# EAGLE board working (EAGLE 9.6.2), part 23 of 28 (continued)
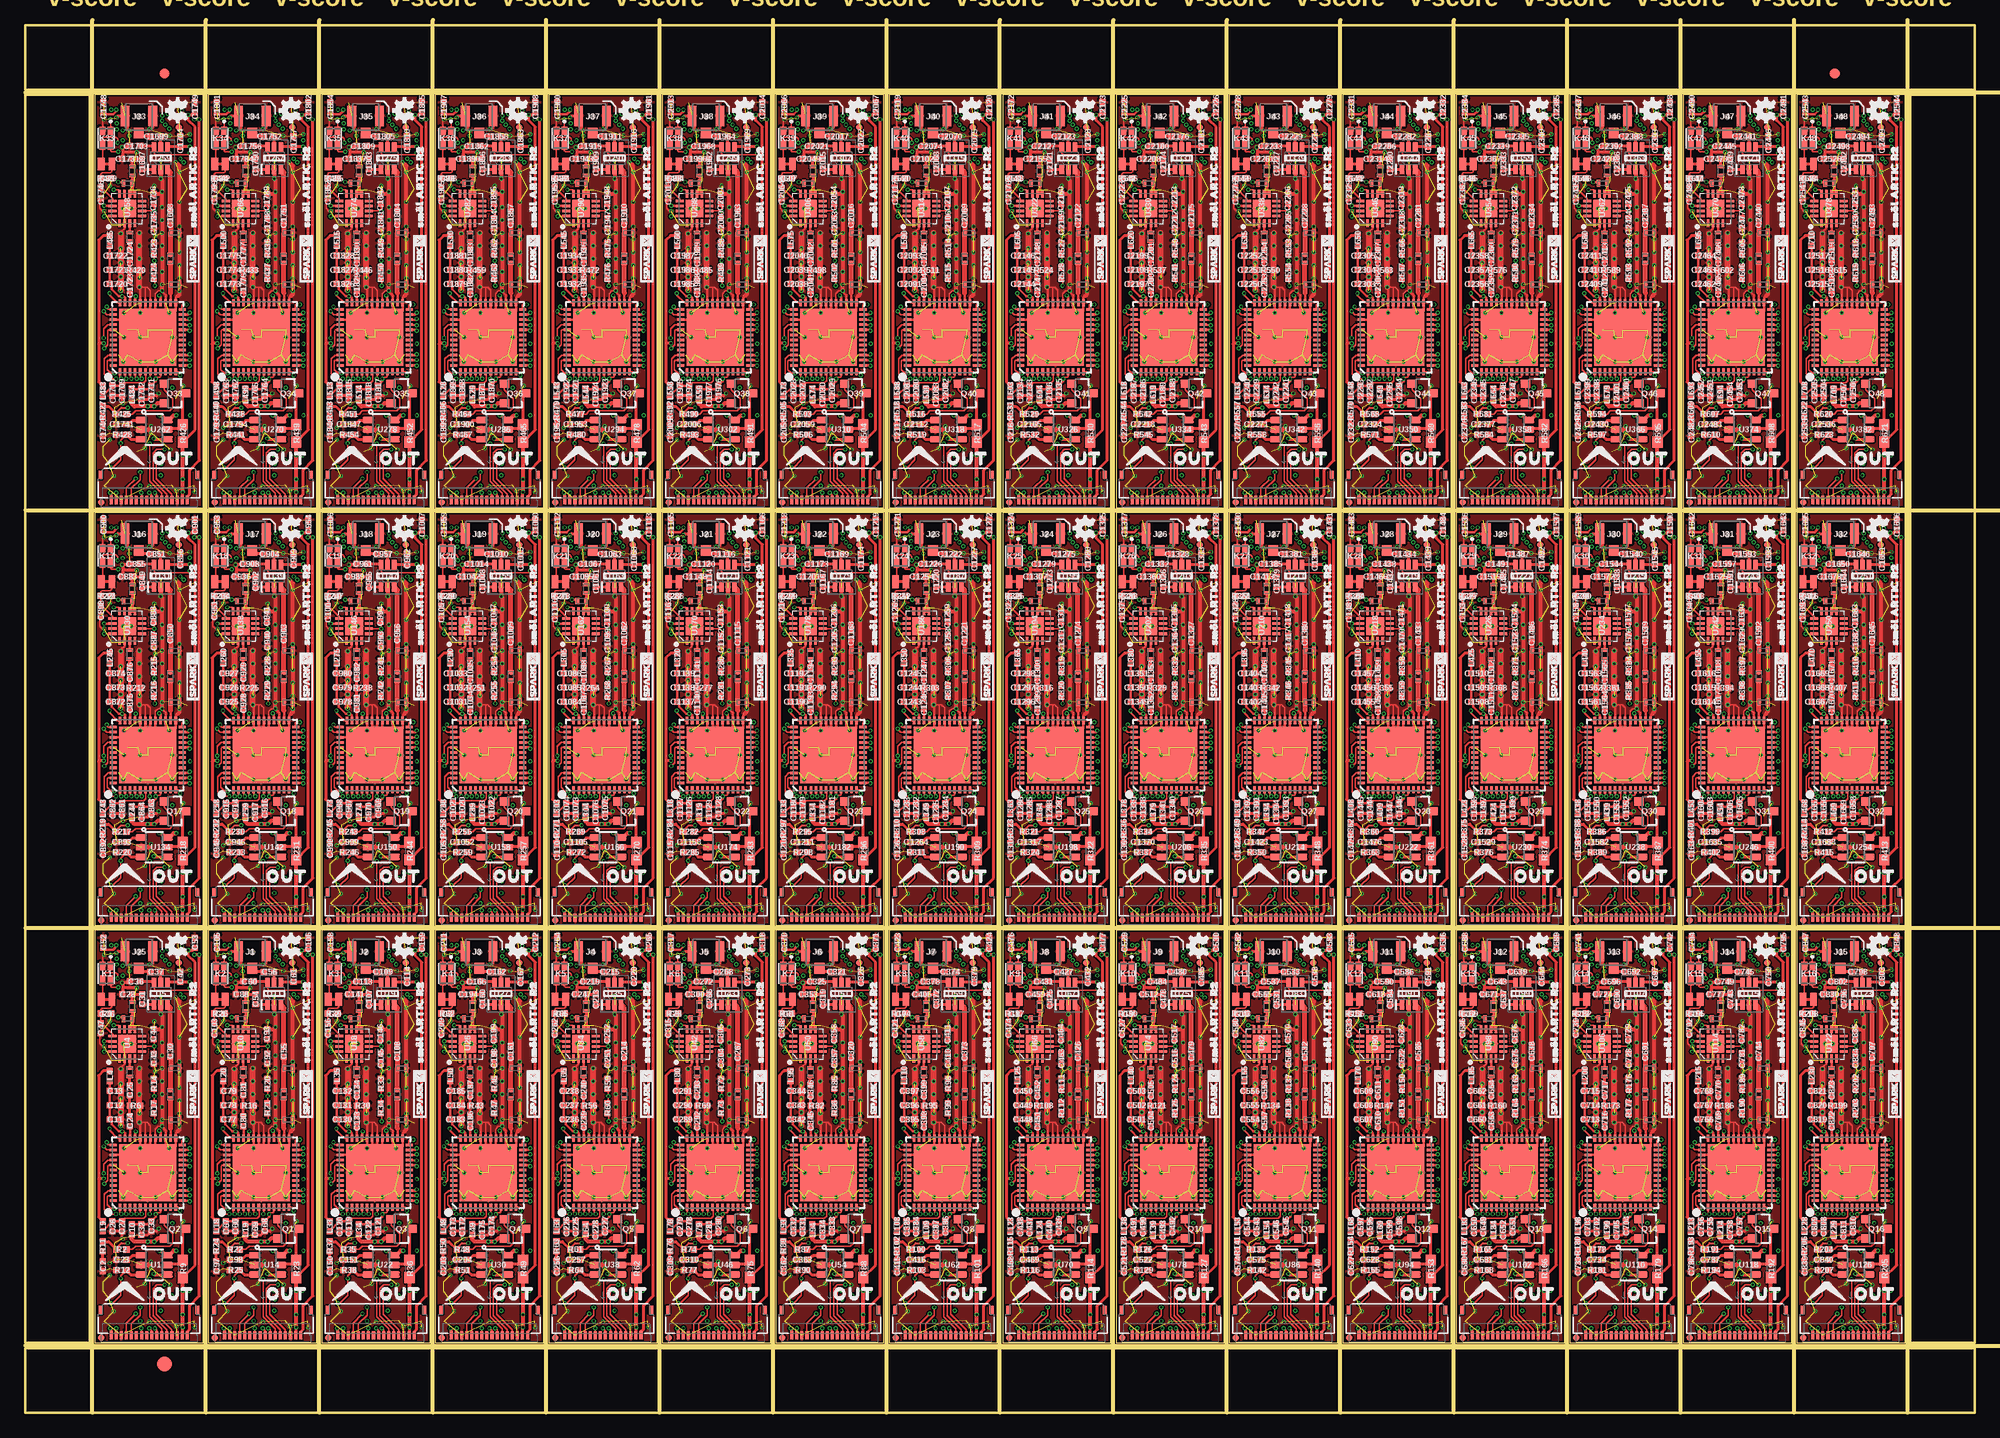
[diagram p0: board, top side]
## Tracks (layer width: path | path; a pad name or v marks a point on that pad's centre or on a via) (continued)
  Top 0.508: 159.59,110.3 L687.P$2 | L687.P$2 159.59,113.23
N$1283  (via drill 0.2)
  Top 0.254: U361.20 161.37,106.67 v161.48,106.55
  Bottom 0.152: C2426.1 160.78,104.7 161.79,104.7 161.93,104.84 161.93,106.11 v161.48,106.55
  Bottom 0.254: C2426.1 C2427.1 L689.1
N$1284
  Top 0.305: U366.5 159.35,96.9 160.38,96.9 R595.1 160.78,100.12 Q46.3
N$1285
  Top 0.152: R594.1 155.83,98.36 156.15,98.68 159.51,98.68 159.83,99 159.83,99.89 158.96,100.76 Q46.1
N$1286  (via drill 0.2)
  Top 0.203: R594.2 154.25,98.5 154.75,99 v155.37,99
  Top 0.305: v157.92,95.95 157.99,95.89 U366.4 | R596.1 152.96,99.12 153.49,99.12 R594.2
  Bottom 0.203: v157.92,95.95 157.61,95.95 156.84,96.71 156.84,98.62 156.46,99 v155.37,99
N$1287
  Top 0.305: C2429.1 R596.2
  Top 0.406: R596.2
N$1288
  Top 0.305: U366.1 156.63,97.73 155.82,97.73 155.44,97.34 C2430.1
N$1289
  Top 0.305: C2439.1 169.12,122.5 U371.1
N$1290
  Top 0.508: C2440.1 170.75,122.17 U371.3
N$1291
  Top 0.305: U371.5 169.8,125.72 C2441.2
N$1292  (via drill 0.2)
  Top 0.254: U369.24 171.93,109.06 172.02,109.16 v172.34,109.16
  Bottom 0.305: C2448.1 170.94,109.93 170.94,109.72 171.38,109.28 L691.1 v172.34,109.16 172.34,109.74 C2447.1
N$1293  (via drill 0.2)
  Top 0.254: U369.23 172.4,108.17 172.41,108.17 172.5,108.17 v172.66,108.33
  Bottom 0.305: L692.1 171.96,108.14 172.15,108.33 v172.66,108.33
  Bottom 0.406: C2449.1 C2450.1 L692.1
N$1294
  Top 0.152: U369.6 168.33,102.47 168.33,101.64 168.13,101.44 166.28,101.44 C2451.1 | L693.1 164.08,100.17 165.04,101.12 C2452.1
  Top 0.254: C2452.1 C2451.1
N$1295  (via drill 0.2)
  Top 0.152: v169.29,101.85 169.29,101.92 169.34,101.97 169.68,101.97 169.78,102.06 U369.9
  Top 0.254: L694.1 C2454.1 168.53,100.83 C2453.1 169.29,101.59 v169.29,101.85
  Bottom 0.152: v169.29,101.85 168.53,101.09 R599.1 R600.2
N$1296  (via drill 0.2)
  Top 0.254: U369.35 166.28,109.82 166.12,109.98 v165.99,109.98 165.67,109.98 164.98,110.67 164.98,111 C2462.1 C2463.1 C2464.1 164.79,114.94 L695.1 | U369.28 169.78,109.92 v169.65,110.05 | U369.33 167.28,109.93 v167.34,109.98
  Bottom 0.254: v169.65,110.05 169.59,109.98 v167.34,109.98 v165.99,109.98
N$1297  (via drill 0.2)
  Top 0.152: U369.36 165.52,109.32 164.75,110.08 v164.75,110.27
  Bottom 0.254: L696.1 165.1,110.62 v164.75,110.27 164.75,110.26 165.28,109.73 C2456.1 165.3,109.6 165.74,109.16 C2455.1
N$1298  (via drill 0.2)
  Top 0.127: U369.41 164.66,106.67 164.57,106.58 164.57,105.18 v164.22,104.84
  Bottom 0.152: v164.22,104.84 164.22,104.26 R601.1
N$1299  (via drill 0.2)
  Top 0.152: U369.40 164.57,107.17 164.18,106.77 v164.18,105.85
  Bottom 0.152: v164.18,105.85 164.97,105.85 C2457.1 C2458.1 L697.1
N$1300  (via drill 0.2)
  Top 0.152: v164.47,108.92 164.47,108.82 164.62,108.67 U369.37
  Bottom 0.152: v164.47,108.92 164.97,108.41 165.48,108.41 165.95,107.94 166.22,107.94 X47.4 167.55,107.6 C2460.1 C2459.1
N$1301
  Bottom 0.152: C2461.1 164.24,106.78 165.06,107.6 X47.3
N$1302  (via drill 0.2)
  Top 0.152: U369.38 164.47,108.17 164.17,108.47 v164.17,108.51
  Bottom 0.152: v164.17,108.51 164.15,108.48 C2461.2
N$1303
  Top 0.254: U369.34 166.78,110.47 C2465.1
N$1304
  Top 0.254: R602.2 | 166.76,113.54 C2466.1
  Top 0.305: C2465.2 R602.2 | R602.2 166.76,113.54
N$1305  (via drill 0.2)
  Top 0.254: v164.21,118.87 U370.14
  Bottom 0.254: L699.P$2 164.22,118.89 v164.21,118.87
N$1306
  Bottom 0.254: C2471.1 C2470.1 R604.1 165.5,119.75 L699.P$1
N$1307
  Top 0.305: C2466.2 L698.P$1
N$1308
  Top 0.254: L698.P$2 U370.3
N$1309
  Top 0.254: U370.10 167,120.07 U370.9
  Top 0.305: 167,121.08 L700.P$2 | 167,121.08 167,120.07 | L701.P$1 167,121.08
N$1310
  Top 0.254: C2472.P$1 170.76,113.25 170.75,113.24 170.76,113.23 | 170.78,111.11 L702.P$2 arc-45 L702.P$2 | U369.26 170.78,110.29 170.76,110.3
  Top 0.508: 170.76,110.3 L702.P$2 | L702.P$2 170.76,113.23
N$1311  (via drill 0.2)
  Top 0.254: U369.20 172.54,106.67 v172.66,106.55
  Bottom 0.152: C2479.1 171.96,104.7 172.97,104.7 173.1,104.84 173.1,106.11 v172.66,106.55
  Bottom 0.254: C2479.1 C2480.1 L704.1
N$1312
  Top 0.305: U374.5 170.53,96.9 171.55,96.9 R608.1 171.96,100.12 Q47.3
N$1313
  Top 0.152: R607.1 167,98.36 167.32,98.68 170.69,98.68 171.01,99 171.01,99.89 170.13,100.76 Q47.1
N$1314  (via drill 0.2)
  Top 0.203: R607.2 165.43,98.5 165.93,99 v166.55,99
  Top 0.305: v169.1,95.95 169.16,95.89 U374.4 | R609.1 164.14,99.12 164.66,99.12 R607.2
  Bottom 0.203: v169.1,95.95 168.78,95.95 168.02,96.71 168.02,98.62 167.64,99 v166.55,99
N$1315
  Top 0.305: C2482.1 R609.2
  Top 0.406: 164.08,98.17 R609.2
N$1316
  Top 0.305: U374.1 167.8,97.73 167,97.73 166.62,97.34 C2483.1
N$1317
  Top 0.305: C2492.1 180.3,122.5 U379.1
N$1318
  Top 0.508: C2493.1 181.93,122.17 U379.3
N$1319
  Top 0.305: U379.5 C2494.2
N$1320  (via drill 0.2)
  Top 0.254: U377.24 183.11,109.06 183.2,109.16 v183.52,109.16
  Bottom 0.305: C2501.1 182.12,109.93 182.12,109.72 182.55,109.28 L706.1 v183.52,109.16 183.52,109.74 C2500.1
N$1321  (via drill 0.2)
  Top 0.254: U377.23 183.58,108.17 183.59,108.17 183.68,108.17 v183.83,108.33
  Bottom 0.305: L707.1 183.13,108.14 183.32,108.33 v183.83,108.33
  Bottom 0.406: C2502.1 C2503.1 L707.1
N$1322
  Top 0.152: U377.6 179.51,102.47 179.51,101.64 179.31,101.44 177.45,101.44 C2504.1 | L708.1 175.26,100.17 176.21,101.12 C2505.1
  Top 0.254: C2505.1 C2504.1
N$1323  (via drill 0.2)
  Top 0.152: v180.47,101.85 180.47,101.92 180.52,101.97 180.86,101.97 180.96,102.06 U377.9
  Top 0.254: L709.1 C2507.1 179.71,100.83 C2506.1 180.47,101.59 v180.47,101.85
  Bottom 0.152: v180.47,101.85 179.71,101.09 R612.1 R613.2
N$1324  (via drill 0.2)
  Top 0.254: U377.35 177.46,109.82 177.29,109.98 v177.16,109.98 176.85,109.98 176.16,110.67 176.16,111 C2515.1 C2516.1 C2517.1 L710.1 | U377.28 180.96,109.92 v180.83,110.05 | U377.33 178.46,109.93 v178.51,109.98
  Bottom 0.254: v180.83,110.05 180.77,109.98 v178.51,109.98 v177.16,109.98
N$1325  (via drill 0.2)
  Top 0.152: U377.36 176.69,109.32 175.93,110.08 v175.93,110.27
  Bottom 0.254: L711.1 176.28,110.62 v175.93,110.27 175.93,110.26 176.46,109.73 C2509.1 176.47,109.6 176.92,109.16 C2508.1
N$1326  (via drill 0.2)
  Top 0.127: U377.41 175.83,106.67 175.74,106.58 175.74,105.18 v175.4,104.84
  Bottom 0.152: v175.4,104.84 175.4,104.26 R614.1
N$1327  (via drill 0.2)
  Top 0.152: U377.40 175.75,107.17 175.35,106.77 v175.35,105.85
  Bottom 0.152: v175.35,105.85 176.14,105.85 C2510.1 C2511.1 L712.1
N$1328  (via drill 0.2)
  Top 0.152: v175.64,108.92 175.64,108.82 175.8,108.67 U377.37
  Bottom 0.152: v175.64,108.92 176.15,108.41 176.66,108.41 177.13,107.94 177.4,107.94 X48.4 178.73,107.6 C2513.1 C2512.1
N$1329
  Bottom 0.152: C2514.1 175.41,106.78 176.24,107.6 X48.3
N$1330  (via drill 0.2)
  Top 0.152: U377.38 175.65,108.17 175.35,108.47 v175.35,108.51
  Bottom 0.152: v175.35,108.51 175.32,108.48 C2514.2
N$1331
  Top 0.254: U377.34 177.96,110.47 C2518.1
N$1332
  Top 0.254: 177.93,112.51 R615.2 | C2519.1
  Top 0.305: C2518.2 177.93,112.51 | R615.2 C2519.1
N$1333  (via drill 0.2)
  Top 0.254: v175.39,118.87 U378.14
  Bottom 0.254: L714.P$2 175.4,118.89 v175.39,118.87
N$1334
  Bottom 0.254: C2524.1 C2523.1 R617.1 176.68,119.75 L714.P$1
N$1335
  Top 0.305: C2519.2 L713.P$1
N$1336
  Top 0.254: L713.P$2 U378.3
N$1337
  Top 0.254: U378.10 178.18,120.07 U378.9
  Top 0.305: 178.18,121.08 L715.P$2 | 178.18,121.08 178.18,120.07 | L716.P$1 178.18,121.08
N$1338
  Top 0.254: C2525.P$1 181.94,113.25 181.93,113.24 181.94,113.23 | 181.96,111.11 L717.P$2 arc-45 L717.P$2 | U377.26 181.96,110.29 181.94,110.3
  Top 0.508: 181.94,110.3 L717.P$2 | L717.P$2 181.94,113.23
N$1339  (via drill 0.2)
  Top 0.254: U377.20 183.72,106.67 v183.83,106.55
  Bottom 0.152: C2532.1 183.13,104.7 184.14,104.7 184.28,104.84 184.28,106.11 v183.83,106.55
  Bottom 0.254: C2532.1 C2533.1 L719.1
N$1340
  Top 0.305: U382.5 181.7,96.9 182.73,96.9 R621.1 183.13,100.12 Q48.3
N$1341
  Top 0.152: R620.1 178.18,98.36 178.5,98.68 181.86,98.68 182.18,99 182.18,99.89 181.31,100.76 Q48.1
N$1342  (via drill 0.2)
  Top 0.203: R620.2 176.6,98.5 177.1,99 v177.72,99
  Top 0.305: v180.28,95.95 180.34,95.89 U382.4 | R622.1 175.32,99.12 175.84,99.12 R620.2
  Bottom 0.203: v180.28,95.95 179.96,95.95 179.2,96.71 179.2,98.62 178.82,99 v177.72,99
N$1343
  Top 0.305: C2535.1 R622.2
  Top 0.406: R622.2
N$1344
  Top 0.305: U382.1 178.98,97.73 178.17,97.73 177.79,97.34 C2536.1
PA_PD  (via drill 0.2)
  Top 0.152: U3.7 12.32,19.61 v12.27,19.56 | R17.1 12.76,29.34 v12.76,28.7
  Top 0.254: U3.7
  Route15 0.152: v12.27,19.56 12.38,19.68 12.38,28.32 v12.76,28.7
PA_PD1  (via drill 0.2)
  Top 0.152: U9.7 23.5,19.61 v23.44,19.56 | R21.1 23.94,29.34 v23.94,28.7
  Top 0.254: U9.7
  Route15 0.152: v23.44,19.56 23.56,19.68 23.56,28.32 v23.94,28.7
PA_PD2  (via drill 0.2)
  Top 0.152: U17.7 34.67,19.61 v34.62,19.56 | R34.1 35.12,29.34 v35.12,28.7
  Top 0.254: U17.7
  Route15 0.152: v34.62,19.56 34.73,19.68 34.73,28.32 v35.12,28.7
PA_PD3  (via drill 0.2)
  Top 0.152: U25.7 45.85,19.61 v45.79,19.56 | R47.1 46.29,29.34 v46.29,28.7
  Top 0.254: U25.7
  Route15 0.152: v45.79,19.56 45.91,19.68 45.91,28.32 v46.29,28.7
PA_PD4  (via drill 0.2)
  Top 0.152: U33.7 57.02,19.61 v56.97,19.56 | R60.1 57.47,29.34 v57.47,28.7
  Top 0.254: U33.7
  Route15 0.152: v56.97,19.56 57.09,19.68 57.09,28.32 v57.47,28.7
PA_PD5  (via drill 0.2)
  Top 0.152: U41.7 68.2,19.61 v68.14,19.56 | R73.1 68.64,29.34 v68.64,28.7
  Top 0.254: U41.7
  Route15 0.152: v68.14,19.56 68.26,19.68 68.26,28.32 v68.64,28.7
PA_PD6  (via drill 0.2)
  Top 0.152: U49.7 79.38,19.61 v79.32,19.56 | R86.1 79.82,29.34 v79.82,28.7
  Top 0.254: U49.7
  Route15 0.152: v79.32,19.56 79.44,19.68 79.44,28.32 v79.82,28.7
PA_PD7  (via drill 0.2)
  Top 0.152: U57.7 90.55,19.61 v90.5,19.56 | R99.1 91,29.34 v91,28.7
  Top 0.254: U57.7
  Route15 0.152: v90.5,19.56 90.62,19.68 90.62,28.32 v91,28.7
PA_PD8  (via drill 0.2)
  Top 0.152: U65.7 101.73,19.61 v101.67,19.56 | R112.1 102.17,29.34 v102.17,28.7
  Top 0.254: U65.7
  Route15 0.152: v101.67,19.56 101.79,19.68 101.79,28.32 v102.17,28.7
PA_PD9  (via drill 0.2)
  Top 0.152: U73.7 112.9,19.61 v112.85,19.56 | R125.1 113.35,29.34 v113.35,28.7
  Top 0.254: U73.7
  Route15 0.152: v112.85,19.56 112.97,19.68 112.97,28.32 v113.35,28.7
PA_PD10  (via drill 0.2)
  Top 0.152: U81.7 124.08,19.61 v124.03,19.56 | R138.1 124.52,29.34 v124.52,28.7
  Top 0.254: U81.7
  Route15 0.152: v124.03,19.56 124.14,19.68 124.14,28.32 v124.52,28.7
PA_PD11  (via drill 0.2)
  Top 0.152: U89.7 135.25,19.61 v135.2,19.56 | R151.1 135.7,29.34 v135.7,28.7
  Top 0.254: U89.7
  Route15 0.152: v135.2,19.56 135.32,19.68 135.32,28.32 v135.7,28.7
PA_PD12  (via drill 0.2)
  Top 0.152: U97.7 146.43,19.61 v146.38,19.56 | R164.1 146.88,29.34 v146.88,28.7
  Top 0.254: U97.7
  Route15 0.152: v146.38,19.56 146.5,19.68 146.5,28.32 v146.88,28.7
PA_PD13  (via drill 0.2)
  Top 0.152: U105.7 157.61,19.61 v157.55,19.56 | R177.1 158.05,29.34 v158.05,28.7
  Top 0.254: U105.7
  Route15 0.152: v157.55,19.56 157.67,19.68 157.67,28.32 v158.05,28.7
PA_PD14  (via drill 0.2)
  Top 0.152: U113.7 168.78,19.61 v168.73,19.56 | R190.1 169.23,29.34 v169.23,28.7
  Top 0.254: U113.7
  Route15 0.152: v168.73,19.56 168.85,19.68 168.85,28.32 v169.23,28.7
PA_PD15  (via drill 0.2)
  Top 0.152: U121.7 179.96,19.61 v179.91,19.56 | R203.1 180.4,29.34 v180.4,28.7
  Top 0.254: U121.7
  Route15 0.152: v179.91,19.56 180.02,19.68 180.02,28.32 v180.4,28.7
PA_PD16  (via drill 0.2)
  Top 0.152: U129.7 12.32,60.76 v12.27,60.71 | R216.1 12.76,70.49 v12.76,69.85
  Top 0.254: U129.7
  Route15 0.152: v12.27,60.71 12.38,60.82 12.38,69.47 v12.76,69.85
PA_PD17  (via drill 0.2)
  Top 0.152: U137.7 23.5,60.76 v23.44,60.71 | R229.1 23.94,70.49 v23.94,69.85
  Top 0.254: U137.7
  Route15 0.152: v23.44,60.71 23.56,60.82 23.56,69.47 v23.94,69.85
PA_PD18  (via drill 0.2)
  Top 0.152: U145.7 34.67,60.76 v34.62,60.71 | R242.1 35.12,70.49 v35.12,69.85
  Top 0.254: U145.7
  Route15 0.152: v34.62,60.71 34.73,60.82 34.73,69.47 v35.12,69.85
PA_PD19  (via drill 0.2)
  Top 0.152: U153.7 45.85,60.76 v45.79,60.71 | R255.1 46.29,70.49 v46.29,69.85
  Top 0.254: U153.7
  Route15 0.152: v45.79,60.71 45.91,60.82 45.91,69.47 v46.29,69.85
PA_PD20  (via drill 0.2)
  Top 0.152: U161.7 57.02,60.76 v56.97,60.71 | R268.1 57.47,70.49 v57.47,69.85
  Top 0.254: U161.7
  Route15 0.152: v56.97,60.71 57.09,60.82 57.09,69.47 v57.47,69.85
PA_PD21  (via drill 0.2)
  Top 0.152: U169.7 68.2,60.76 v68.14,60.71 | R281.1 68.64,70.49 v68.64,69.85
  Top 0.254: U169.7
  Route15 0.152: v68.14,60.71 68.26,60.82 68.26,69.47 v68.64,69.85
PA_PD22  (via drill 0.2)
  Top 0.152: U177.7 79.38,60.76 v79.32,60.71 | R294.1 79.82,70.49 v79.82,69.85
  Top 0.254: U177.7
  Route15 0.152: v79.32,60.71 79.44,60.82 79.44,69.47 v79.82,69.85
PA_PD23  (via drill 0.2)
  Top 0.152: U185.7 90.55,60.76 v90.5,60.71 | R307.1 91,70.49 v91,69.85
  Top 0.254: U185.7
  Route15 0.152: v90.5,60.71 90.62,60.82 90.62,69.47 v91,69.85
PA_PD24  (via drill 0.2)
  Top 0.152: U193.7 101.73,60.76 v101.67,60.71 | R320.1 102.17,70.49 v102.17,69.85
  Top 0.254: U193.7
  Route15 0.152: v101.67,60.71 101.79,60.82 101.79,69.47 v102.17,69.85
PA_PD25  (via drill 0.2)
  Top 0.152: U201.7 112.9,60.76 v112.85,60.71 | R333.1 113.35,70.49 v113.35,69.85
  Top 0.254: U201.7
  Route15 0.152: v112.85,60.71 112.97,60.82 112.97,69.47 v113.35,69.85
PA_PD26  (via drill 0.2)
  Top 0.152: U209.7 124.08,60.76 v124.03,60.71 | R346.1 124.52,70.49 v124.52,69.85
  Top 0.254: U209.7
  Route15 0.152: v124.03,60.71 124.14,60.82 124.14,69.47 v124.52,69.85
PA_PD27  (via drill 0.2)
  Top 0.152: U217.7 135.25,60.76 v135.2,60.71 | R359.1 135.7,70.49 v135.7,69.85
  Top 0.254: U217.7
  Route15 0.152: v135.2,60.71 135.32,60.82 135.32,69.47 v135.7,69.85
PA_PD28  (via drill 0.2)
  Top 0.152: U225.7 146.43,60.76 v146.38,60.71 | R372.1 146.88,70.49 v146.88,69.85
  Top 0.254: U225.7
  Route15 0.152: v146.38,60.71 146.5,60.82 146.5,69.47 v146.88,69.85
PA_PD29  (via drill 0.2)
  Top 0.152: U233.7 157.61,60.76 v157.55,60.71 | R385.1 158.05,70.49 v158.05,69.85
  Top 0.254: U233.7
  Route15 0.152: v157.55,60.71 157.67,60.82 157.67,69.47 v158.05,69.85
PA_PD30  (via drill 0.2)
  Top 0.152: U241.7 168.78,60.76 v168.73,60.71 | R398.1 169.23,70.49 v169.23,69.85
  Top 0.254: U241.7
  Route15 0.152: v168.73,60.71 168.85,60.82 168.85,69.47 v169.23,69.85
PA_PD31  (via drill 0.2)
  Top 0.152: U249.7 179.96,60.76 v179.91,60.71 | R411.1 180.4,70.49 v180.4,69.85
  Top 0.254: U249.7
  Route15 0.152: v179.91,60.71 180.02,60.82 180.02,69.47 v180.4,69.85
PA_PD32  (via drill 0.2)
  Top 0.152: U257.7 12.32,101.91 v12.27,101.85 | R424.1 12.76,111.64 v12.76,111
  Top 0.254: U257.7
  Route15 0.152: v12.27,101.85 12.38,101.97 12.38,110.62 v12.76,111
PA_PD33  (via drill 0.2)
  Top 0.152: U265.7 23.5,101.91 v23.44,101.85 | R437.1 23.94,111.64 v23.94,111
  Top 0.254: U265.7
  Route15 0.152: v23.44,101.85 23.56,101.97 23.56,110.62 v23.94,111
PA_PD34  (via drill 0.2)
  Top 0.152: U273.7 34.67,101.91 v34.62,101.85 | R450.1 35.12,111.64 v35.12,111
  Top 0.254: U273.7
  Route15 0.152: v34.62,101.85 34.73,101.97 34.73,110.62 v35.12,111
PA_PD35  (via drill 0.2)
  Top 0.152: U281.7 45.85,101.91 v45.79,101.85 | R463.1 46.29,111.64 v46.29,111
  Top 0.254: U281.7
  Route15 0.152: v45.79,101.85 45.91,101.97 45.91,110.62 v46.29,111
PA_PD36  (via drill 0.2)
  Top 0.152: U289.7 57.02,101.91 v56.97,101.85 | R476.1 57.47,111.64 v57.47,111
  Top 0.254: U289.7
  Route15 0.152: v56.97,101.85 57.09,101.97 57.09,110.62 v57.47,111
PA_PD37  (via drill 0.2)
  Top 0.152: U297.7 68.2,101.91 v68.14,101.85 | R489.1 68.64,111.64 v68.64,111
  Top 0.254: U297.7
  Route15 0.152: v68.14,101.85 68.26,101.97 68.26,110.62 v68.64,111
PA_PD38  (via drill 0.2)
  Top 0.152: U305.7 79.38,101.91 v79.32,101.85 | R502.1 79.82,111.64 v79.82,111
  Top 0.254: U305.7
  Route15 0.152: v79.32,101.85 79.44,101.97 79.44,110.62 v79.82,111
PA_PD39  (via drill 0.2)
  Top 0.152: U313.7 90.55,101.91 v90.5,101.85 | R515.1 91,111.64 v91,111
  Top 0.254: U313.7
  Route15 0.152: v90.5,101.85 90.62,101.97 90.62,110.62 v91,111
PA_PD40  (via drill 0.2)
  Top 0.152: U321.7 101.73,101.91 v101.67,101.85 | R528.1 102.17,111.64 v102.17,111
  Top 0.254: U321.7
  Route15 0.152: v101.67,101.85 101.79,101.97 101.79,110.62 v102.17,111
PA_PD41  (via drill 0.2)
  Top 0.152: U329.7 112.9,101.91 v112.85,101.85 | R541.1 113.35,111.64 v113.35,111
  Top 0.254: U329.7
  Route15 0.152: v112.85,101.85 112.97,101.97 112.97,110.62 v113.35,111
PA_PD42  (via drill 0.2)
  Top 0.152: U337.7 124.08,101.91 v124.03,101.85 | R554.1 124.52,111.64 v124.52,111
  Top 0.254: U337.7
  Route15 0.152: v124.03,101.85 124.14,101.97 124.14,110.62 v124.52,111
PA_PD43  (via drill 0.2)
  Top 0.152: U345.7 135.25,101.91 v135.2,101.85 | R567.1 135.7,111.64 v135.7,111
  Top 0.254: U345.7
  Route15 0.152: v135.2,101.85 135.32,101.97 135.32,110.62 v135.7,111
PA_PD44  (via drill 0.2)
  Top 0.152: U353.7 146.43,101.91 v146.38,101.85 | R580.1 146.88,111.64 v146.88,111
  Top 0.254: U353.7
  Route15 0.152: v146.38,101.85 146.5,101.97 146.5,110.62 v146.88,111
PA_PD45  (via drill 0.2)
  Top 0.152: U361.7 157.61,101.91 v157.55,101.85 | R593.1 158.05,111.64 v158.05,111
  Top 0.254: U361.7
  Route15 0.152: v157.55,101.85 157.67,101.97 157.67,110.62 v158.05,111
PA_PD46  (via drill 0.2)
  Top 0.152: U369.7 168.78,101.91 v168.73,101.85 | R606.1 169.23,111.64 v169.23,111
  Top 0.254: U369.7
  Route15 0.152: v168.73,101.85 168.85,101.97 168.85,110.62 v169.23,111
PA_PD47  (via drill 0.2)
  Top 0.152: U377.7 179.96,101.91 v179.91,101.85 | R619.1 180.4,111.64 v180.4,111
  Top 0.254: U377.7
  Route15 0.152: v179.91,101.85 180.02,101.97 180.02,110.62 v180.4,111
PD  (via drill 0.2)
  Top 0.152: C44.1 12.7,36.71 v12.7,36.07 12.7,35.42 C43.2 | R17.2 12.7,30.54 v12.7,31.18 12.7,31.82 R14.2 | U4.6 v12.7,36.07
  Top 0.254: U4.6 | 12.59,35.31 C43.2 | v12.7,36.07
  Route15 0.152: v12.7,36.07 12.36,35.73 12.36,31.52 v12.7,31.18
PD1  (via drill 0.2)
  Top 0.152: C93.1 23.88,36.71 v23.88,36.07 23.88,35.42 C92.2 | R21.2 23.88,30.54 v23.88,31.18 23.88,31.82 R20.2 | U10.6 v23.87,36.07
  Top 0.254: U10.6 | 23.76,35.31 C92.2 | v23.87,36.07 v23.88,36.07
  Route15 0.152: v23.88,36.07 23.53,35.73 23.53,31.52 v23.88,31.18
PD2  (via drill 0.2)
  Top 0.152: C146.1 35.05,36.71 v35.05,36.07 35.05,35.42 C145.2 | R34.2 35.05,30.54 v35.05,31.18 35.05,31.82 R33.2 | U18.6 v35.05,36.07
  Top 0.254: U18.6 | 34.94,35.31 C145.2 | v35.05,36.07
  Route15 0.152: v35.05,36.07 34.71,35.73 34.71,31.52 v35.05,31.18
PD3  (via drill 0.2)
  Top 0.152: C199.1 46.23,36.71 v46.23,36.07 46.23,35.42 C198.2 | R47.2 46.23,30.54 v46.23,31.18 46.23,31.82 R46.2 | U26.6 v46.22,36.07
  Top 0.254: U26.6 | 46.11,35.31 C198.2 | v46.22,36.07 v46.23,36.07
  Route15 0.152: v46.23,36.07 45.88,35.73 45.88,31.52 v46.23,31.18
PD4  (via drill 0.2)
  Top 0.152: C252.1 57.4,36.71 v57.4,36.07 57.4,35.42 C251.2 | R60.2 57.4,30.54 v57.4,31.18 57.4,31.82 R59.2 | U34.6 v57.4,36.07
  Top 0.254: U34.6 | 57.29,35.31 C251.2 | v57.4,36.07
  Route15 0.152: v57.4,36.07 57.06,35.73 57.06,31.52 v57.4,31.18
PD5  (via drill 0.2)
  Top 0.152: C305.1 68.58,36.71 v68.58,36.07 68.58,35.42 C304.2 | R73.2 68.58,30.54 v68.58,31.18 68.58,31.82 R72.2 | U42.6 v68.58,36.07
  Top 0.254: U42.6 | 68.47,35.31 C304.2 | v68.58,36.07
  Route15 0.152: v68.58,36.07 68.24,35.73 68.24,31.52 v68.58,31.18
PD6  (via drill 0.2)
  Top 0.152: C358.1 79.76,36.71 v79.76,36.07 79.76,35.42 C357.2 | R86.2 79.76,30.54 v79.76,31.18 79.76,31.82 R85.2 | U50.6 v79.75,36.07
  Top 0.254: U50.6 | 79.64,35.31 C357.2 | v79.75,36.07 v79.76,36.07
  Route15 0.152: v79.76,36.07 79.41,35.73 79.41,31.52 v79.76,31.18
PD7  (via drill 0.2)
  Top 0.152: C411.1 90.93,36.71 v90.93,36.07 90.93,35.42 C410.2 | R99.2 90.93,30.54 v90.93,31.18 90.93,31.82 R98.2 | U58.6 v90.93,36.07
  Top 0.254: U58.6 | 90.82,35.31 C410.2 | v90.93,36.07
  Route15 0.152: v90.93,36.07 90.59,35.73 90.59,31.52 v90.93,31.18
PD8  (via drill 0.2)
  Top 0.152: C464.1 102.11,36.71 v102.11,36.07 102.11,35.42 C463.2 | R112.2 102.11,30.54 v102.11,31.18 102.11,31.82 R111.2 | U66.6 v102.1,36.07
  Top 0.254: U66.6 | 101.99,35.31 C463.2 | v102.1,36.07 v102.11,36.07
  Route15 0.152: v102.11,36.07 101.77,35.73 101.77,31.52 v102.11,31.18
PD9  (via drill 0.2)
  Top 0.152: C517.1 113.28,36.71 v113.28,36.07 113.28,35.42 C516.2 | R125.2 113.28,30.54 v113.28,31.18 113.28,31.82 R124.2 | U74.6 v113.28,36.07
  Top 0.254: U74.6 | 113.17,35.31 C516.2 | v113.28,36.07
  Route15 0.152: v113.28,36.07 112.94,35.73 112.94,31.52 v113.28,31.18
PD10  (via drill 0.2)
  Top 0.152: C570.1 124.46,36.71 v124.46,36.07 124.46,35.42 C569.2 | R138.2 124.46,30.54 v124.46,31.18 124.46,31.82 R137.2 | U82.6 v124.46,36.07
  Top 0.254: U82.6 | 124.34,35.31 C569.2 | v124.46,36.07
  Route15 0.152: v124.46,36.07 124.12,35.73 124.12,31.52 v124.46,31.18
PD11  (via drill 0.2)
  Top 0.152: C623.1 135.64,36.71 v135.64,36.07 135.64,35.42 C622.2 | R151.2 135.64,30.54 v135.64,31.18 135.64,31.82 R150.2 | U90.6 v135.63,36.07
  Top 0.254: U90.6 | 135.52,35.31 C622.2 | v135.63,36.07 v135.64,36.07
  Route15 0.152: v135.64,36.07 135.29,35.73 135.29,31.52 v135.64,31.18
PD12  (via drill 0.2)
  Top 0.152: C676.1 146.81,36.71 v146.81,36.07 146.81,35.42 C675.2 | R164.2 146.81,30.54 v146.81,31.18 146.81,31.82 R163.2 | U98.6 v146.81,36.07
  Top 0.254: U98.6 | 146.7,35.31 C675.2 | v146.81,36.07
  Route15 0.152: v146.81,36.07 146.47,35.73 146.47,31.52 v146.81,31.18
PD13  (via drill 0.2)
  Top 0.152: C729.1 157.99,36.71 v157.99,36.07 157.99,35.42 C728.2 | R177.2 157.99,30.54 v157.99,31.18 157.99,31.82 R176.2 | U106.6 v157.98,36.07
  Top 0.254: U106.6 | 157.87,35.31 C728.2 | v157.98,36.07 v157.99,36.07
  Route15 0.152: v157.99,36.07 157.65,35.73 157.65,31.52 v157.99,31.18
PD14  (via drill 0.2)
  Top 0.152: C782.1 169.16,36.71 v169.16,36.07 169.16,35.42 C781.2 | R190.2 169.16,30.54 v169.16,31.18 169.16,31.82 R189.2 | U114.6 v169.16,36.07
  Top 0.254: U114.6 | 169.05,35.31 C781.2 | v169.16,36.07
  Route15 0.152: v169.16,36.07 168.82,35.73 168.82,31.52 v169.16,31.18
PD15  (via drill 0.2)
  Top 0.152: C835.1 180.34,36.71 v180.34,36.07 180.34,35.42 C834.2 | R203.2 180.34,30.54 v180.34,31.18 180.34,31.82 R202.2 | U122.6 v180.34,36.07
  Top 0.254: U122.6 | 180.22,35.31 C834.2 | v180.34,36.07
  Route15 0.152: v180.34,36.07 180,35.73 180,31.52 v180.34,31.18
PD16  (via drill 0.2)
  Top 0.152: C888.1 12.7,77.86 v12.7,77.22 12.7,76.57 C887.2 | R216.2 12.7,71.68 v12.7,72.33 12.7,72.97 R215.2 | U130.6 v12.7,77.22
  Top 0.254: U130.6 | 12.59,76.46 C887.2 | v12.7,77.22
  Route15 0.152: v12.7,77.22 12.36,76.87 12.36,72.67 v12.7,72.33
PD17  (via drill 0.2)
  Top 0.152: C941.1 23.88,77.86 v23.88,77.22 23.88,76.57 C940.2 | R229.2 23.88,71.68 v23.88,72.33 23.88,72.97 R228.2 | U138.6 v23.87,77.22
  Top 0.254: U138.6 | 23.76,76.46 C940.2 | v23.87,77.22 v23.88,77.22
  Route15 0.152: v23.88,77.22 23.53,76.87 23.53,72.67 v23.88,72.33
PD18  (via drill 0.2)
  Top 0.152: C994.1 35.05,77.86 v35.05,77.22 35.05,76.57 C993.2 | R242.2 35.05,71.68 v35.05,72.33 35.05,72.97 R241.2 | U146.6 v35.05,77.22
  Top 0.254: U146.6 | 34.94,76.46 C993.2 | v35.05,77.22
  Route15 0.152: v35.05,77.22 34.71,76.87 34.71,72.67 v35.05,72.33
PD19  (via drill 0.2)
  Top 0.152: C1047.1 46.23,77.86 v46.23,77.22 46.23,76.57 C1046.2 | R255.2 46.23,71.68 v46.23,72.33 46.23,72.97 R254.2 | U154.6 v46.22,77.22
  Top 0.254: U154.6 | 46.11,76.46 C1046.2 | v46.22,77.22 v46.23,77.22
  Route15 0.152: v46.23,77.22 45.88,76.87 45.88,72.67 v46.23,72.33
PD20  (via drill 0.2)
  Top 0.152: C1100.1 57.4,77.86 v57.4,77.22 57.4,76.57 C1099.2 | R268.2 57.4,71.68 v57.4,72.33 57.4,72.97 R267.2 | U162.6 v57.4,77.22
  Top 0.254: U162.6 | 57.29,76.46 C1099.2 | v57.4,77.22
  Route15 0.152: v57.4,77.22 57.06,76.87 57.06,72.67 v57.4,72.33
PD21  (via drill 0.2)
  Top 0.152: C1153.1 68.58,77.86 v68.58,77.22 68.58,76.57 C1152.2 | R281.2 68.58,71.68 v68.58,72.33 68.58,72.97 R280.2 | U170.6 v68.58,77.22
  Top 0.254: U170.6 | 68.47,76.46 C1152.2 | v68.58,77.22
  Route15 0.152: v68.58,77.22 68.24,76.87 68.24,72.67 v68.58,72.33
PD22  (via drill 0.2)
  Top 0.152: C1206.1 79.76,77.86 v79.76,77.22 79.76,76.57 C1205.2 | R294.2 79.76,71.68 v79.76,72.33 79.76,72.97 R293.2 | U178.6 v79.75,77.22
  Top 0.254: U178.6 | 79.64,76.46 C1205.2 | v79.75,77.22 v79.76,77.22
  Route15 0.152: v79.76,77.22 79.41,76.87 79.41,72.67 v79.76,72.33
PD23  (via drill 0.2)
  Top 0.152: C1259.1 90.93,77.86 v90.93,77.22 90.93,76.57 C1258.2 | R307.2 90.93,71.68 v90.93,72.33 90.93,72.97 R306.2 | U186.6 v90.93,77.22
  Top 0.254: U186.6 | 90.82,76.46 C1258.2 | v90.93,77.22
  Route15 0.152: v90.93,77.22 90.59,76.87 90.59,72.67 v90.93,72.33
PD24  (via drill 0.2)
  Top 0.152: C1312.1 102.11,77.86 v102.11,77.22 102.11,76.57 C1311.2 | R320.2 102.11,71.68 v102.11,72.33 102.11,72.97 R319.2 | U194.6 v102.1,77.22
  Top 0.254: U194.6 | 101.99,76.46 C1311.2 | v102.1,77.22 v102.11,77.22
  Route15 0.152: v102.11,77.22 101.77,76.87 101.77,72.67 v102.11,72.33
PD25  (via drill 0.2)